# Allegro board dspeak-v1_00-0b.brd
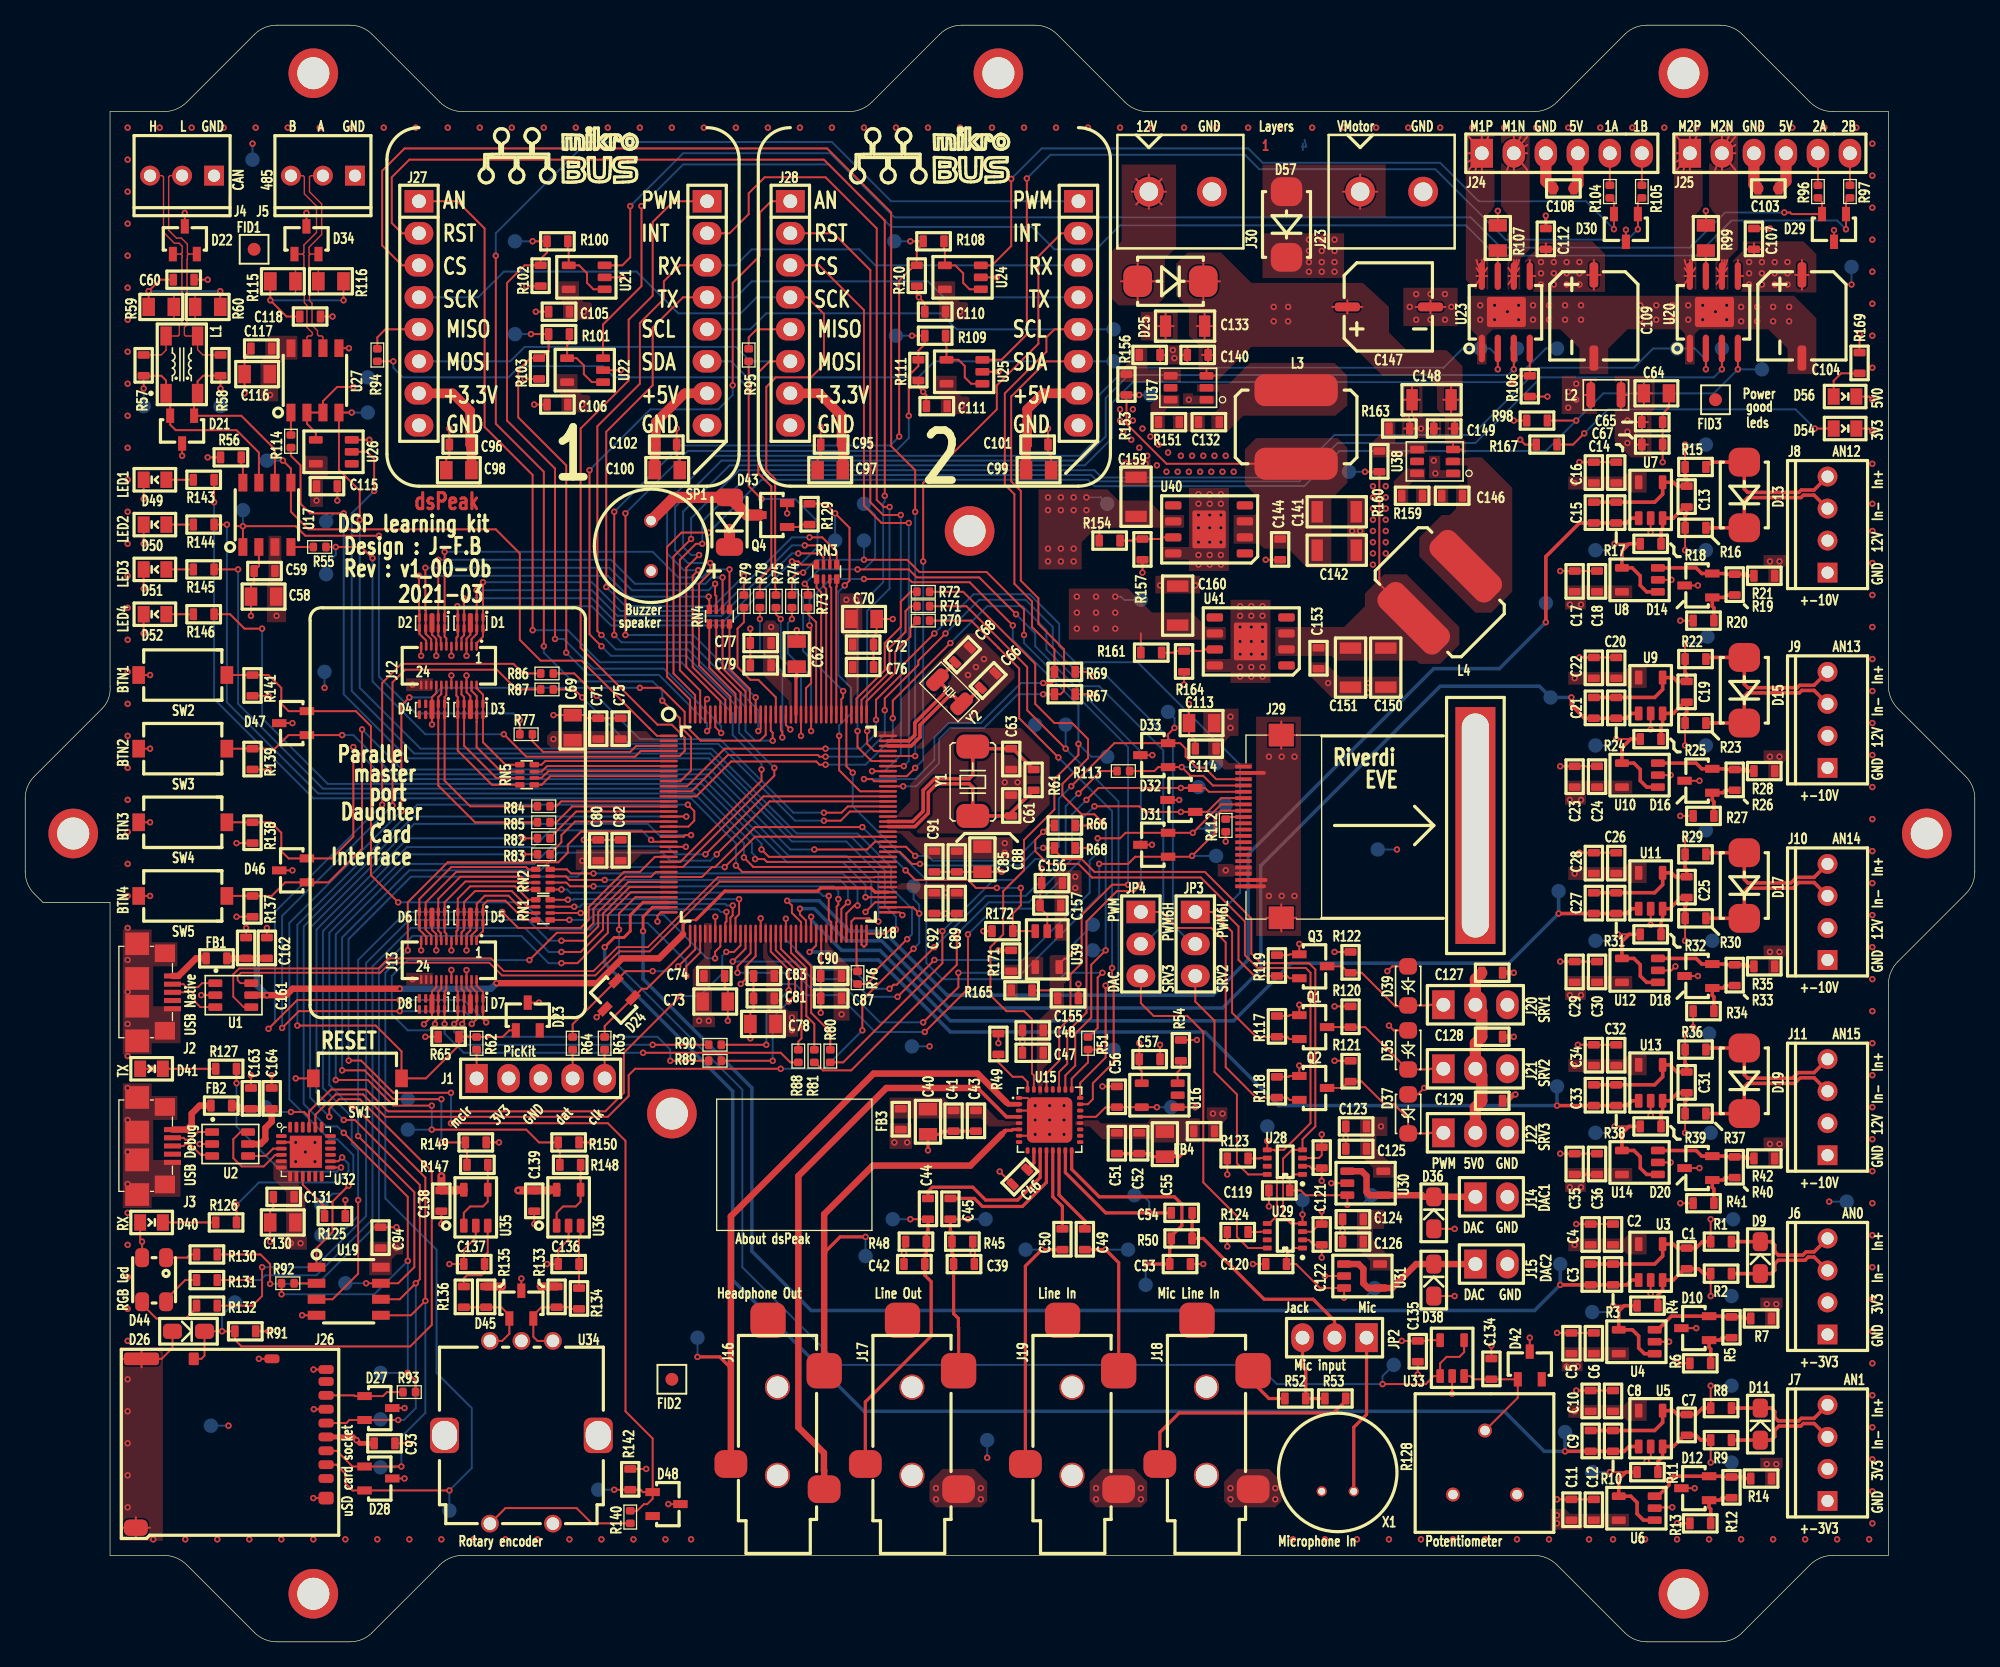
[diagram p0: board, top side]
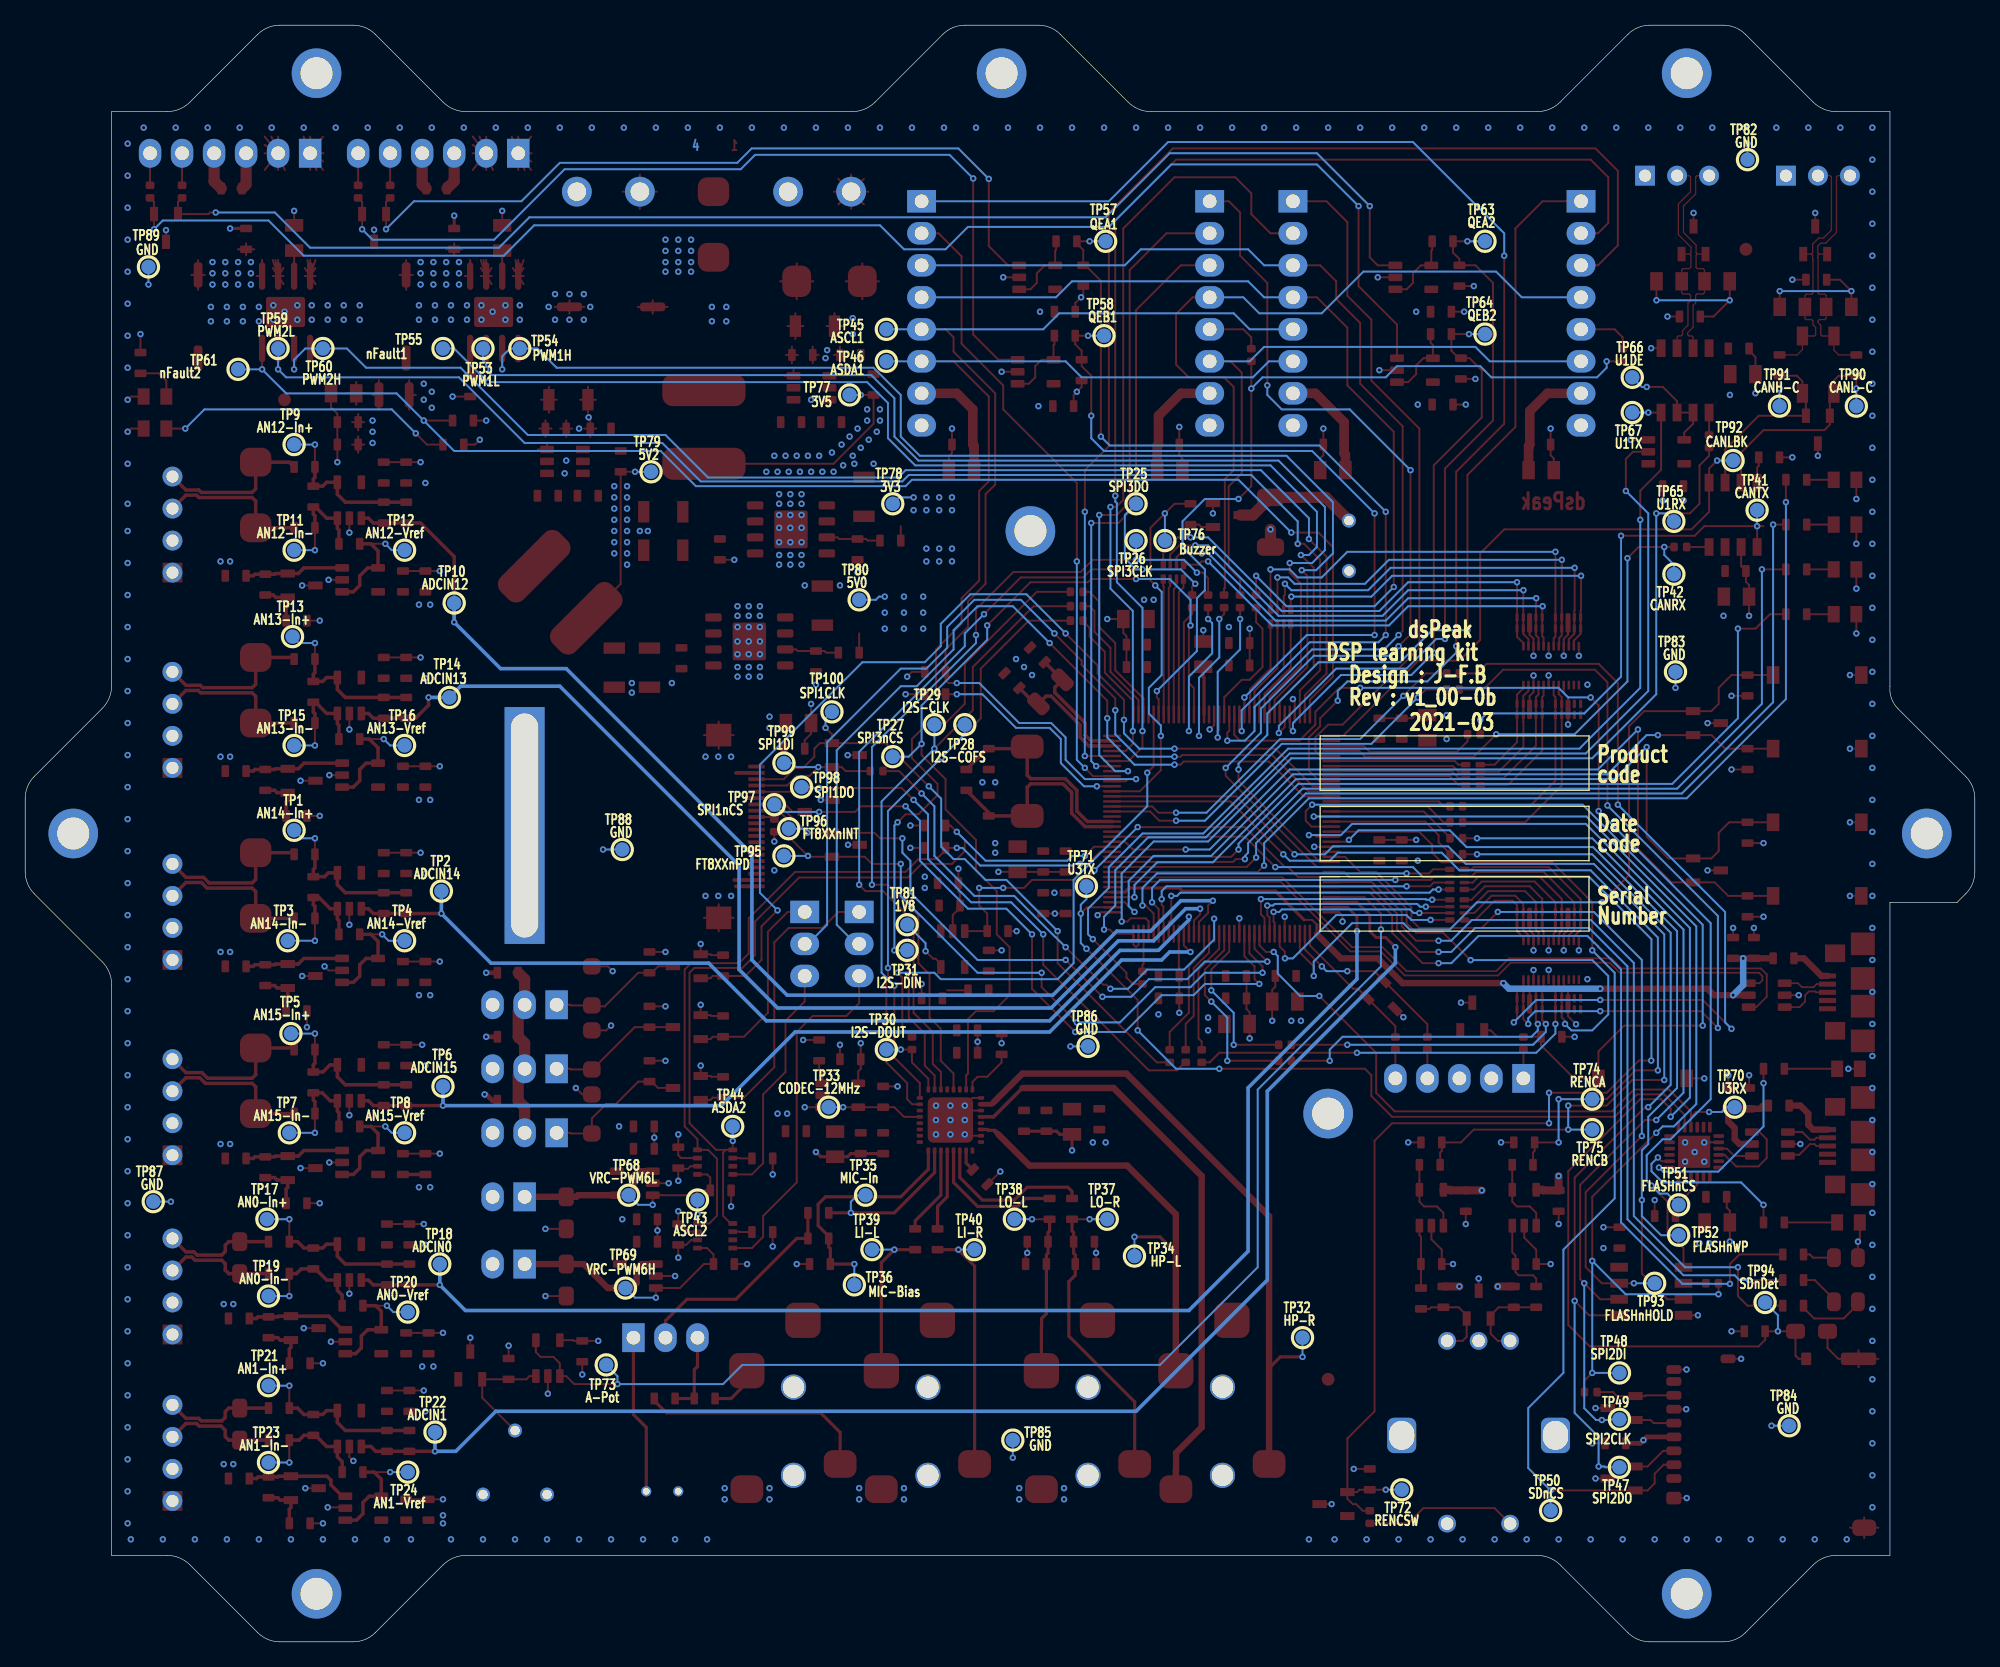
[diagram p1: board, bottom side, seen from below]

Outline 154.69 x 128.27 mm; copper layers: TOP, INNER1, INNER2, BOTTOM. Coordinates in mm from the lower left corner of the outline.
Outline path: 0,66.93 0,61.09 arc(0.19,60.15) 0.72,59.35 1.4,58.67 6.73,58.67 6.73,6.86 10.99,6.86 arc(11.98,6.66) 12.83,6.1 18.2,0.72 arc(19,0.19) 19.94,0 25.78,0 arc(26.72,0.19) 27.52,0.72 32.89,6.1 arc(33.74,6.66) 34.73,6.86 119.7,6.86 arc(120.69,6.66) 121.54,6.1 126.92,0.72 arc(127.71,0.19) 128.65,0 134.49,0 arc(135.43,0.19) 136.23,0.72 141.6,6.1 arc(142.45,6.66) 143.44,6.86 147.83,6.86 147.83,52.14 arc(148.03,53.13) 148.59,53.97 153.97,59.35 arc(154.5,60.15) 154.69,61.09 154.69,66.93 arc(154.5,67.87) 153.97,68.66 148.59,74.04 arc(148.03,74.89) 147.83,75.88 147.83,121.41 143.44,121.41 arc(142.45,121.61) 141.6,122.17 136.23,127.55 arc(135.43,128.08) 134.49,128.27 128.65,128.27 arc(127.71,128.08) 126.92,127.55 121.54,122.17 arc(120.69,121.61) 119.7,121.41 89.15,121.41 arc(88.12,121.6) 87.25,122.17 81.87,127.55 arc(81.08,128.08) 80.14,128.27 74.29,128.27 arc(73.36,128.08) 72.56,127.55 67.18,122.17 arc(66.34,121.61) 65.34,121.41 34.73,121.41 arc(33.74,121.61) 32.89,122.17 27.52,127.55 arc(26.72,128.08) 25.78,128.27 19.94,128.27 arc(19,128.08) 18.2,127.55 12.83,122.17 arc(11.98,121.61) 10.99,121.41 6.73,121.41 6.73,75.82 arc(6.61,74.86) 6.1,74.04 0.72,68.66 arc(0.19,67.87) 0,66.93

## Design rules (mm)
constraint set DEFAULT: min track width 0.152, pair gap 0.152
net group DP1: nets USB_NATIVE_D+ USB_NATIVE_D-
net group DP2: nets CANH CANL
net group DP3: nets 485_A 485_B
net group DP4: nets USB_UART_D+ USB_UART_D-
net group DP5: nets AN0-V- AN0_V+
net group DP6: nets AN12_V+ AN12_V-
net group DP7: nets AN13_V+ AN13_V-
net group DP8: nets AN14_V+ AN14_V-
net group DP9: nets AN15_V+ AN15_V-
net group DP10: nets AN1_V+ AN1_V-
net group DP11: nets OSC1 OSC2
net group DP12: nets SOSCI SOSCO
net group DP13: nets USB_NATIVE_D+_MCU USB_NATIVE_D-_MCU
net group DP14: nets USB_UART_D+_BRIDGE USB_UART_D-_BRIDGE

## Placement (name value [footprint] x y rotation side)
C1  15pF  [0603_CAP_IPC]  131.83 31.24 270 top
C2  1nF  [0603_CAP_IPC]  125.98 31.5 90 top
C3  22pF  [0603_CAP_IPC]  124.21 29.97 270 top
C4  0.1uF  [0603_CAP_IPC]  124.21 31.5 90 top
C5  0.1uF  [0603_CAP_IPC]  122.68 22.86 90 top
C6  1nF  [0603_CAP_IPC]  124.46 22.86 90 top
C7  15pF  [0603_CAP_IPC]  131.83 18.03 270 top
C8  1nF  [0603_CAP_IPC]  125.98 18.29 90 top
C9  22pF  [0603_CAP_IPC]  124.21 16.76 270 top
C10  0.1uF  [0603_CAP_IPC]  124.21 18.29 90 top
C11  0.1uF  [0603_CAP_IPC]  122.68 9.65 90 top
C12  1nF  [0603_CAP_IPC]  124.46 9.65 90 top
C13  15pF  [0603_CAP_IPC]  131.83 91.69 270 top
C14  1nF  [0603_CAP_IPC]  126.24 91.95 90 top
C15  22pF  [0603_CAP_IPC]  124.46 90.42 270 top
C16  0.1uF  [0603_CAP_IPC]  124.46 91.95 90 top
C17  0.1uF  [0603_CAP_IPC]  122.94 83.31 90 top
C18  1nF  [0603_CAP_IPC]  124.71 83.31 90 top
C19  15pF  [0603_CAP_IPC]  131.83 76.2 270 top
C20  1nF  [0603_CAP_IPC]  126.24 76.45 90 top
C21  22pF  [0603_CAP_IPC]  124.46 74.93 270 top
C22  0.1uF  [0603_CAP_IPC]  124.46 76.45 90 top
C23  0.1uF  [0603_CAP_IPC]  122.94 67.82 90 top
C24  1nF  [0603_CAP_IPC]  124.71 67.82 90 top
C25  15pF  [0603_CAP_IPC]  131.83 60.71 270 top
C26  1nF  [0603_CAP_IPC]  126.24 60.96 90 top
C27  22pF  [0603_CAP_IPC]  124.46 59.44 270 top
C28  0.1uF  [0603_CAP_IPC]  124.46 60.96 90 top
C29  0.1uF  [0603_CAP_IPC]  122.94 52.32 90 top
C30  1nF  [0603_CAP_IPC]  124.71 52.32 90 top
C31  15pF  [0603_CAP_IPC]  131.83 45.21 270 top
C32  1nF  [0603_CAP_IPC]  126.24 45.72 90 top
C33  22pF  [0603_CAP_IPC]  124.46 44.2 270 top
C34  0.1uF  [0603_CAP_IPC]  124.46 45.72 90 top
C35  0.1uF  [0603_CAP_IPC]  122.94 37.08 90 top
C36  1nF  [0603_CAP_IPC]  124.71 37.08 90 top
C39  220pF  [0603_CAP_IPC]  73.66 29.97 0 top
C40  10uF  [0805_CAP]  71.63 42.16 270 top
C41  0.1uF  [0603_CAP_IPC]  73.66 42.16 270 top
C42  220pF  [0603_CAP_IPC]  71.37 29.97 180 top
C43  1nF  [0603_CAP_IPC]  75.44 42.16 270 top
C44  1uF  [0603_CAP_IPC]  71.63 33.53 90 top
C45  1uF  [0603_CAP_IPC]  73.41 33.53 90 top
C46  0.1uF  [0603_CAP_IPC]  79.5 37.46 225 top
C47  1nF  [0603_CAP_IPC]  80.77 46.74 180 top
C48  0.1uF  [0603_CAP_IPC]  80.77 48.51 180 top
C49  1uF  [0603_CAP_IPC]  84.07 32.77 270 top
C50  1uF  [0603_CAP_IPC]  82.3 32.77 270 top
C51  1nF  [0603_CAP_IPC]  86.61 40.39 270 top
C52  0.1uF  [0603_CAP_IPC]  88.39 40.39 270 top
C53  1uF  [0603_CAP_IPC]  92.46 29.97 180 top
C54  1uF  [0603_CAP_IPC]  90.93 34.04 0 top
C55  10uF  [0805_CAP]  90.42 40.39 270 top
C56  DNP  [0603_CAP_IPC]  86.61 42.42 90 top
C57  0.1uF  [0603_CAP_IPC]  88.39 46.23 0 top
C58  10uF  [0805_CAP]  19.81 82.93 180 top
C59  0.1uF  [0603_CAP_IPC]  19.81 84.96 180 top
C60  4.7nF  [0603_CAP_IPC]  11.75 108.08 0 top
C61  18pF  [0603_CAP_IPC]  78.23 65.53 90 top
C62  10uF  [0805_CAP]  61.21 77.47 90 top
C63  18pF  [0603_CAP_IPC]  78.23 70.87 270 top
C64  22uF  [0805_CAP]  128.52 99.06 0 top
C65  0.1uF  [0603_CAP_IPC]  128.27 96.77 0 top
C66  20pF  [0603_CAP_IPC]  75.82 75.69 45 top
C67  1nF  [0603_CAP_IPC]  128.27 95 0 top
C68  20pF  [0603_CAP_IPC]  73.79 77.72 45 top
C69  10uF  [0805_CAP]  43.43 71.63 90 top
C70  10uF  [0805_CAP]  65.66 81.15 0 top
C71  0.1uF  [0603_CAP_IPC]  45.47 71.63 90 top
C72  0.1uF  [0603_CAP_IPC]  65.66 79.12 0 top
C73  10uF  [0805_CAP]  53.85 50.8 0 top
C74  0.1uF  [0603_CAP_IPC]  53.85 52.83 0 top
C75  1nF  [0603_CAP_IPC]  47.24 71.63 90 top
C76  1nF  [0603_CAP_IPC]  65.66 77.34 0 top
C77  0.1uF  [0603_CAP_IPC]  59.18 79.25 180 top
C78  10uF  [0805_CAP]  59.44 49.02 180 top
C79  1nF  [0603_CAP_IPC]  59.18 77.47 180 top
C80  0.1uF  [0603_CAP_IPC]  45.47 61.98 90 top
C81  0.1uF  [0603_CAP_IPC]  59.44 51.05 180 top
C82  1nF  [0603_CAP_IPC]  47.24 61.98 90 top
C83  1nF  [0603_CAP_IPC]  59.44 52.83 180 top
C85  10uF  [0805_CAP]  75.95 62.99 270 top
C87  0.1uF  [0603_CAP_IPC]  64.77 51.05 180 top
C88  0.1uF  [0603_CAP_IPC]  73.91 62.74 270 top
C89  0.1uF  [0603_CAP_IPC]  73.91 59.44 270 top
C90  1nF  [0603_CAP_IPC]  64.77 52.83 180 top
C91  1nF  [0603_CAP_IPC]  72.14 62.74 270 top
C92  1nF  [0603_CAP_IPC]  72.14 59.44 270 top
C93  0.1uF  [0603_CAP_IPC]  27.69 15.75 0 top
C94  0.1uF  [0603_CAP_IPC]  28.19 31.24 90 top
C95  0.1uF  [0603_CAP_IPC]  64.77 95 180 top
C96  0.1uF  [0603_CAP_IPC]  35.31 95 180 top
C97  10uF  [0805_CAP]  64.77 92.96 180 top
C98  10uF  [0805_CAP]  35.31 92.96 180 top
C99  10uF  [0805_CAP]  79.5 92.96 0 top
C100  10uF  [0805_CAP]  50.04 92.96 0 top
C101  0.1uF  [0603_CAP_IPC]  79.5 95 0 top
C102  0.1uF  [0603_CAP_IPC]  50.04 95 0 top
C103  0.1uF  [0603_CAP_IPC]  139.13 115.32 180 top
C104  100uF  [ALUM_CAP_6_6MM]  140.97 108.46 270 top
C105  0.1uF  [0603_CAP_IPC]  43.18 105.54 180 top
C106  0.1uF  [0603_CAP_IPC]  43.05 98.17 180 top
C107  0.1uF  [0603_CAP_IPC]  137.16 110.49 90 top
C108  0.1uF  [0603_CAP_IPC]  122.87 115.32 180 top
C109  100uF  [ALUM_CAP_6_6MM]  124.46 108.46 270 top
C110  0.1uF  [0603_CAP_IPC]  73.02 105.54 180 top
C111  0.1uF  [0603_CAP_IPC]  73.15 98.04 180 top
C112  0.1uF  [0603_CAP_IPC]  120.65 110.49 90 top
C113  10uF  [0805_CAP]  94.23 72.9 180 top
C114  0.1uF  [0603_CAP_IPC]  94.49 70.87 180 top
C115  0.1uF  [0603_CAP_IPC]  23.11 91.69 0 top
C116  10uF  [0805_CAP]  19.3 100.58 180 top
C117  0.1uF  [0603_CAP_IPC]  19.56 102.62 180 top
C118  4.7nF  [0603_CAP_IPC]  23.43 105.16 180 top
C119  4.7nF  [0603_CAP_IPC]  100.33 35.81 180 top
C120  4.7nF  [0603_CAP_IPC]  100.08 29.97 180 top
C121  0.1uF  [0603_CAP_IPC]  102.87 37.59 90 top
C122  0.1uF  [0603_CAP_IPC]  102.87 31.5 90 top
C123  0.1uF  [0603_CAP_IPC]  106.43 40.89 180 top
C124  0.1uF  [0603_CAP_IPC]  106.17 33.53 180 top
C125  1nF  [0603_CAP_IPC]  106.43 39.12 180 top
C126  1nF  [0603_CAP_IPC]  106.17 31.75 180 top
C127  0.1uF  [0603_CAP_IPC]  115.57 53.09 0 top
C128  0.1uF  [0603_CAP_IPC]  115.57 48.01 0 top
C129  0.1uF  [0603_CAP_IPC]  115.57 42.93 0 top
C130  10uF  [0805_CAP]  21.34 33.27 180 top
C131  0.1uF  [0603_CAP_IPC]  21.34 35.31 180 top
C132  0.1uF  [0603_CAP_IPC]  94.74 96.77 180 top
C133  22uF  [1206_CAP]  90.68 104.39 0 top
C134  0.1uF  [0603_CAP_IPC]  116.33 20.83 90 top
C135  0.1uF  [0603_CAP_IPC]  110.49 23.88 270 top
C136  10nF  [0603_CAP_IPC]  43.94 29.97 180 top
C137  10nF  [0603_CAP_IPC]  36.45 29.97 180 top
C138  0.1uF  [0603_CAP_IPC]  33.02 35.81 270 top
C139  0.1uF  [0603_CAP_IPC]  40.39 35.81 270 top
C140  0.1uF  [0603_CAP_IPC]  92.2 102.11 0 top
C141  22uF  [1206_CAP]  105.41 89.66 180 top
C142  22uF  [1206_CAP]  105.41 86.61 180 top
C144  0.1uF  [0603_CAP_IPC]  99.57 85.85 90 top
C146  0.1uF  [0603_CAP_IPC]  114.05 90.93 180 top
C147  100uF  [ALUM_CAP_6_6MM]  104.9 105.92 0 top
C148  22uF  [1206_CAP]  110.24 98.55 0 top
C149  0.1uF  [0603_CAP_IPC]  111.76 96.27 0 top
C150  22uF  [1206_CAP]  107.95 75.95 90 top
C151  22uF  [1206_CAP]  105.16 75.95 90 top
C153  0.1uF  [0603_CAP_IPC]  102.62 77.22 90 top
C155  1uF  [0603_CAP_IPC]  83.57 51.05 180 top
C156  1uF  [0603_CAP_IPC]  82.3 60.2 180 top
C157  0.1uF  [0603_CAP_IPC]  80.52 58.42 0 top
C159  10uF  [1206_CAP]  88.14 92.2 270 top
C160  10uF  [1206_CAP]  91.44 83.57 270 top
C161  0.1uF  [0603_CAP_IPC]  17.53 54.23 90 top
C162  1nF  [0603_CAP_IPC]  19.18 54.23 90 top
C163  0.1uF  [0603_CAP_IPC]  17.91 42.29 90 top
C164  1nF  [0603_CAP_IPC]  19.56 42.29 90 top
D1  TVS 3V3 QL  [UDFN-10]  36.32 81.28 180 top
D2  TVS 3V3 QL  [UDFN-10]  33.27 81.28 180 top
D3  TVS 3V3 QL  [UDFN-10]  36.32 74.42 180 top
D4  TVS 3V3 QL  [UDFN-10]  33.27 74.42 180 top
D5  TVS 3V3 QL  [UDFN-10]  36.32 57.91 180 top
D6  TVS 3V3 QL  [UDFN-10]  33.27 57.91 180 top
D7  TVS 3V3 QL  [UDFN-10]  36.32 51.05 180 top
D8  TVS 3V3 QL  [UDFN-10]  33.27 51.05 180 top
D9  STS321033B401  [SOD323]  137.67 29.21 90 top
D10  LM4041  [SOT23-3]  133.6 23.88 180 top
D11  STS321033B401  [SOD323]  137.67 16 90 top
D12  LM4041  [SOT23-3]  133.6 11.18 180 top
D13  P6SMB12CA  [DO-214AA]  136.4 88.39 90 top
D14  LM4041  [SOT23-3]  133.86 82.8 180 top
D15  P6SMB12CA  [DO-214AA]  136.4 72.9 90 top
D16  LM4041  [SOT23-3]  133.86 67.31 180 top
D17  P6SMB12CA  [DO-214AA]  136.4 57.4 90 top
D18  LM4041  [SOT23-3]  133.86 51.82 180 top
D19  P6SMB12CA  [DO-214AA]  136.4 41.91 90 top
D20  LM4041  [SOT23-3]  133.86 36.58 180 top
D21  SZNUP2105LT1G  [SOT23-3]  13.46 97.28 270 top
D22  SZNUP2105LT1G  [SOT23-3]  11.65 110.11 90 top
D23  TVS 3V3 DL  [SOT23-3]  38.86 48.51 90 top
D24  TVS 3V3 DL  [SOT23-3]  48.26 51.05 225 top
D25  Schottky  [DO-214AA]  93.47 107.95 180 top
D26  TVS 3V3 SL  [SOD323]  11.68 24.64 0 top
D27  TVS 3V3 DL  [SOT23-3]  26.92 19.56 0 top
D28  TVS 3V3 DL  [SOT23-3]  26.92 13.97 0 top
D29  TVS 5V0 DL  [SOT23-3]  144.53 113.28 270 top
D30  TVS 5V0 DL  [SOT23-3]  128.02 113.28 270 top
D31  TVS 3V3 DL  [SOT23-3]  90.68 62.23 180 top
D32  TVS 3V3 DL  [SOT23-3]  92.84 65.79 180 top
D33  TVS 3V3 DL  [SOT23-3]  90.68 69.34 180 top
D34  SZNUP2105LT1G  [SOT23-3]  21.3 110.11 90 top
D35  TVS 5V0 SL  [DO-219AB]  109.73 48.51 270 top
D36  TVS 3V3 SL  [SOD323]  111.76 32.77 90 top
D37  TVS 5V0 SL  [DO-219AB]  109.73 43.43 270 top
D38  TVS 3V3 SL  [SOD323]  111.76 27.43 90 top
D39  TVS 5V0 SL  [DO-219AB]  109.73 53.59 270 top
D40  LED  [DIO_0603]  10.92 33.27 180 top
D41  LED  [DIO_0603]  10.92 45.47 180 top
D42  TVS 3V3 DL  [SOT23-3]  118.36 20.83 90 top
D43  LL4148  [MINIMELF-SOD80]  55.88 86.87 90 top
D44  RGB LED 4PLCC  [RGB-LED-4PLCC]  11.18 30.48 180 top
D45  TVS 5V0 DL  [SOT23-3]  38.35 25.65 90 top
D46  TVS 3V3 DL  [SOT23-3]  22.35 60.2 180 top
D47  TVS 3V3 DL  [SOT23-3]  22.35 71.88 180 top
D48  TVS 3V3 DL  [SOT23-3]  49.78 11.94 0 top
D49  LED  [DIO_0603]  9.4 92.2 0 top
D50  LED  [DIO_0603]  9.4 88.65 0 top
D51  LED  [DIO_0603]  9.4 85.09 0 top
D52  LED  [DIO_0603]  9.4 81.53 0 top
D54  LED  [DIO_0603]  145.29 96.27 180 top
D56  LED  [DIO_0603]  145.29 98.81 180 top
D57  Schottky  [DO-214AA]  100.08 109.86 90 top
FB1  BLM18PG121SN1D  [0603_FB]  14.35 54.23 0 top
FB2  BLM18PG121SN1D  [0603_FB]  14.73 42.54 0 top
FB3  BLM18PG121SN1D  [0603_FB]  69.47 40.64 90 top
FB4  BLM18PG121SN1D  [0603_FB]  92.71 40.51 0 top
FID1  Fiducial  [FIDUCIAL_CIR40MIL]  18.16 110.49 0 top
FID2  Fiducial  [FIDUCIAL_CIR40MIL]  51.31 20.83 0 top
FID3  Fiducial  [FIDUCIAL_CIR40MIL]  134.11 98.55 0 top
J1  header5p100  [SMALL_HEADER5P100]  35.81 44.7 0 top
J2  -  [USB-B]  11.68 52.83 270 top
J3  -  [USB-B]  11.68 40.64 270 top
J4  molex3p100  [MOLEX3P100]  14.99 116.33 180 top
J5  molex3p100  [MOLEX3P100]  26.16 116.33 180 top
J6  molex4p100  [MOLEX4P100]  143 24.38 90 top
J7  molex4p100  [MOLEX4P100]  143 11.18 90 top
J8  molex4p100  [MOLEX4P100]  143 84.84 90 top
J9  molex4p100  [MOLEX4P100]  143 69.34 90 top
J10  molex4p100  [MOLEX4P100]  143 54.1 90 top
J11  molex4p100  [MOLEX4P100]  143 38.61 90 top
J12  CONN_24P_2x12  [DF40C-24DS-04V51]  35.81 78.99 0 top
J13  CONN_24P_2x12  [DF40C-24DS-04V51]  35.81 55.63 0 top
J14  header2p100  [SMALL_HEADER2P100]  115.06 35.31 0 top
J15  header2p100  [SMALL_HEADER2P100]  115.06 29.97 0 top
J16  -  [SJ-352X-SMT]  59.69 13.21 90 top
J17  -  [SJ-352X-SMT]  70.36 13.21 90 top
J18  -  [SJ-352X-SMT]  93.73 13.21 90 top
J19  -  [SJ-352X-SMT]  83.06 13.21 90 top
J20  header3p100  [SMALL_HEADER3P100]  112.52 50.55 0 top
J21  header3p100  [SMALL_HEADER3P100]  112.52 45.47 0 top
J22  header3p100  [SMALL_HEADER3P100]  112.52 40.39 0 top
J23  tb2pos5mm  [TERMBLOCK_5MM_2POS]  105.92 115.06 0 top
J24  header6p100  [SMALL_HEADER6P100]  115.57 118.11 0 top
J25  header6p100  [SMALL_HEADER6P100]  132.08 118.11 0 top
J26  DM3AT_uSD_CONNECTOR  [DM3AT]  23.88 12.95 270 top
J27  MikroBUS interface  [MIKROBUS]  28.7 93.98 0 top
J28  MikroBUS interface  [MIKROBUS]  58.17 93.98 0 top
J29  HEADER 22  [ZIF20]  99.06 59.94 180 top
J30  tb2pos5mm  [TERMBLOCK_5MM_2POS]  89.15 115.06 0 top
JP2  header3p100  [SMALL_HEADER3P100]  106.43 24.13 180 top
JP3  header3p100  [SMALL_HEADER3P100]  92.84 57.91 270 top
JP4  header3p100  [SMALL_HEADER3P100]  88.52 57.91 270 top
L1  ACT45B-220  [ACT45B]  11.18 99.06 90 top
L2  4.7uH  [1008_IND_IPC]  126.62 98.93 180 top
L3  4.7uH  [SRN8040TA]  100.84 99.31 270 top
L4  5.6uH  [SRN8040TA]  114.3 85.34 225 top
NOREF  -  [unnamed]  131.57 124.46 0 top
NOREF#2  -  [unnamed#2]  115.06 64.77 90 top
NOREF#3  -  [unnamed]  22.86 124.46 0 top
NOREF#4  -  [unnamed]  150.88 64.14 0 top
NOREF#5  -  [#3]  3.81 64.14 90 top
NOREF#6  -  [#3]  150.88 64.14 90 top
NOREF#7  -  [unnamed]  3.81 64.14 0 top
NOREF#8  -  [#3]  6.73 6.86 90 top
NOREF#9  -  [#3]  77.22 124.46 0 top
NOREF#10  -  [#3]  22.86 3.81 0 top
NOREF#11  -  [unnamed]  51.31 41.91 0 top
NOREF#12  -  [#3]  22.86 124.46 0 top
NOREF#13  -  [#3]  6.73 6.86 0 top
NOREF#14  -  [#3]  131.57 124.46 0 top
NOREF#15  -  [unnamed]  131.57 3.81 0 top
NOREF#16  -  [unnamed]  77.22 124.46 0 top
NOREF#17  -  [#3]  6.73 121.41 0 top
NOREF#18  -  [#3]  6.73 121.41 0 top
NOREF#19  -  [#3]  6.73 6.86 90 top
NOREF#20  -  [unnamed]  22.86 3.81 0 top
NOREF#21  -  [unnamed]  74.93 88.14 0 top
NOREF#22  -  [#3]  131.57 3.81 0 top
Q1  BS170FTA  [SOT23-3]  101.09 49.78 0 top
Q2  BS170FTA  [SOT23-3]  101.09 44.96 0 top
Q3  BS170FTA  [SOT23-3]  101.09 54.61 0 top
Q4  MMBT2222L  [SOT23-3]  60.45 88.39 180 top
R1  1Meg  [0603_RES_IPC]  135.38 31.75 180 top
R2  1Meg  [0603_RES_IPC]  135.38 29.21 180 top
R3  499k  [0603_RES_IPC]  125.98 29.97 270 top
R4  499k  [0603_RES_IPC]  129.54 26.67 180 top
R5  9k76  [0603_RES_IPC]  135.38 24.13 90 top
R6  3k3  [0603_RES_IPC]  132.08 22.1 0 top
R7  1k  [0603_RES_IPC]  136.91 25.65 0 top
R8  1Meg  [0603_RES_IPC]  135.38 18.54 180 top
R9  1Meg  [0603_RES_IPC]  135.38 16 180 top
R10  499k  [0603_RES_IPC]  125.98 16.76 270 top
R11  499k  [0603_RES_IPC]  129.54 13.46 180 top
R12  9k76  [0603_RES_IPC]  135.38 11.43 90 top
R13  3k3  [0603_RES_IPC]  132.08 9.4 0 top
R14  1k  [0603_RES_IPC]  136.91 12.95 0 top
R15  1Meg  [0603_RES_IPC]  133.35 93.22 180 top
R16  1Meg  [0603_RES_IPC]  133.35 88.39 180 top
R17  165k  [0603_RES_IPC]  126.24 90.42 270 top
R18  165k  [0603_RES_IPC]  129.79 87.12 180 top
R19  9k76  [0603_RES_IPC]  135.64 83.06 90 top
R20  3k3  [0603_RES_IPC]  132.33 81.03 0 top
R21  1k  [0603_RES_IPC]  137.16 84.58 0 top
R22  1Meg  [0603_RES_IPC]  133.35 77.98 180 top
R23  1Meg  [0603_RES_IPC]  133.35 72.9 180 top
R24  165k  [0603_RES_IPC]  126.24 74.93 270 top
R25  165k  [0603_RES_IPC]  129.79 71.63 180 top
R26  9k76  [0603_RES_IPC]  135.64 67.56 90 top
R27  3k3  [0603_RES_IPC]  132.33 65.53 0 top
R28  1k  [0603_RES_IPC]  137.16 69.09 0 top
R29  1Meg  [0603_RES_IPC]  133.35 62.48 180 top
R30  1Meg  [0603_RES_IPC]  133.35 57.4 180 top
R31  165k  [0603_RES_IPC]  126.24 59.44 270 top
R32  165k  [0603_RES_IPC]  129.79 56.13 180 top
R33  9k76  [0603_RES_IPC]  135.64 52.07 90 top
R34  3k3  [0603_RES_IPC]  132.33 50.04 0 top
R35  1k  [0603_RES_IPC]  137.16 53.59 0 top
R36  1Meg  [0603_RES_IPC]  133.35 46.99 180 top
R37  1Meg  [0603_RES_IPC]  133.35 41.91 180 top
R38  165k  [0603_RES_IPC]  126.24 44.2 270 top
R39  165k  [0603_RES_IPC]  129.79 40.89 180 top
R40  9k76  [0603_RES_IPC]  135.64 36.83 90 top
R41  3k3  [0603_RES_IPC]  132.33 34.8 0 top
R42  1k  [0603_RES_IPC]  137.16 38.35 0 top
R45  100k  [0603_RES_IPC]  75.18 31.75 180 top
R48  100k  [0603_RES_IPC]  69.85 31.75 0 top
R49  10k  [0603_RES_IPC]  77.22 48.26 270 top
R50  2k2  [0603_RES_IPC]  90.93 32 0 top
R51  33R  [0402_RES_IPC]  84.33 46.99 90 top
R52  DNP  [0603_RES_IPC]  101.6 19.3 180 top
R53  0R  [0603_RES_IPC]  103.12 19.3 0 top
R54  10k  [0603_RES_IPC]  91.69 47.75 270 top
R55  33R  [0402_RES_IPC]  22.86 86.87 0 top
R56  10k  [0603_RES_IPC]  15.49 93.98 0 top
R57  DNP  [0603_RES_IPC]  9.4 102.11 270 top
R58  DNP  [0603_RES_IPC]  15.49 102.11 270 top
R59  60R4  [0805_RES_IPC]  9.9 105.92 0 top
R60  60R4  [0805_RES_IPC]  13.58 105.92 0 top
R61  1Meg  [0603_RES_IPC]  80.01 67.56 90 top
R62  33R  [0402_RES_IPC]  35.81 46.99 90 top
R63  33R  [0402_RES_IPC]  45.97 46.99 90 top
R64  33R  [0402_RES_IPC]  43.43 46.99 90 top
R65  10k  [0603_RES_IPC]  32.77 48.01 0 top
R66  10k  [0603_RES_IPC]  83.31 64.77 180 top
R67  10k  [0603_RES_IPC]  83.31 75.18 180 top
R68  10k  [0603_RES_IPC]  83.31 62.99 180 top
R69  10k  [0603_RES_IPC]  83.31 76.96 180 top
R70  33R  [0402_RES_IPC]  71.75 81.03 180 top
R71  33R  [0402_RES_IPC]  71.75 82.17 180 top
R72  33R  [0402_RES_IPC]  71.75 83.31 180 top
R73  33R  [0402_RES_IPC]  62.1 83.06 270 top
R74  33R  [0402_RES_IPC]  60.83 83.06 270 top
R75  33R  [0402_RES_IPC]  59.56 83.06 270 top
R76  33R  [0402_RES_IPC]  66.04 52.2 90 top
R77  33R  [0402_RES_IPC]  39.24 72.01 0 top
R78  33R  [0402_RES_IPC]  58.29 83.06 270 top
R79  33R  [0402_RES_IPC]  57.02 83.06 270 top
R80  33R  [0402_RES_IPC]  63.88 45.97 90 top
R81  33R  [0402_RES_IPC]  62.61 45.97 90 top
R82  33R  [0402_RES_IPC]  40.64 63.75 0 top
R83  33R  [0402_RES_IPC]  40.64 62.48 0 top
R84  33R  [0402_RES_IPC]  40.64 66.29 0 top
R85  33R  [0402_RES_IPC]  40.64 65.02 0 top
R86  33R  [0402_RES_IPC]  40.9 76.84 0 top
R87  33R  [0402_RES_IPC]  40.9 75.56 0 top
R88  33R  [0402_RES_IPC]  61.34 45.97 90 top